# Altium PCB I2C_Jog_Controller.pcbdoc (part 5 of 6)
Units mm, origin at the board's own origin, x right, y up, seen from the top; angles counter-clockwise.
Board outline 94.01 x 162 mm, 4 copper layers (Top Layer, L1, L2, Bottom Layer), stack 1.606 mm thick; 147 components, 78 nets, 5389 pads, 241 vias.
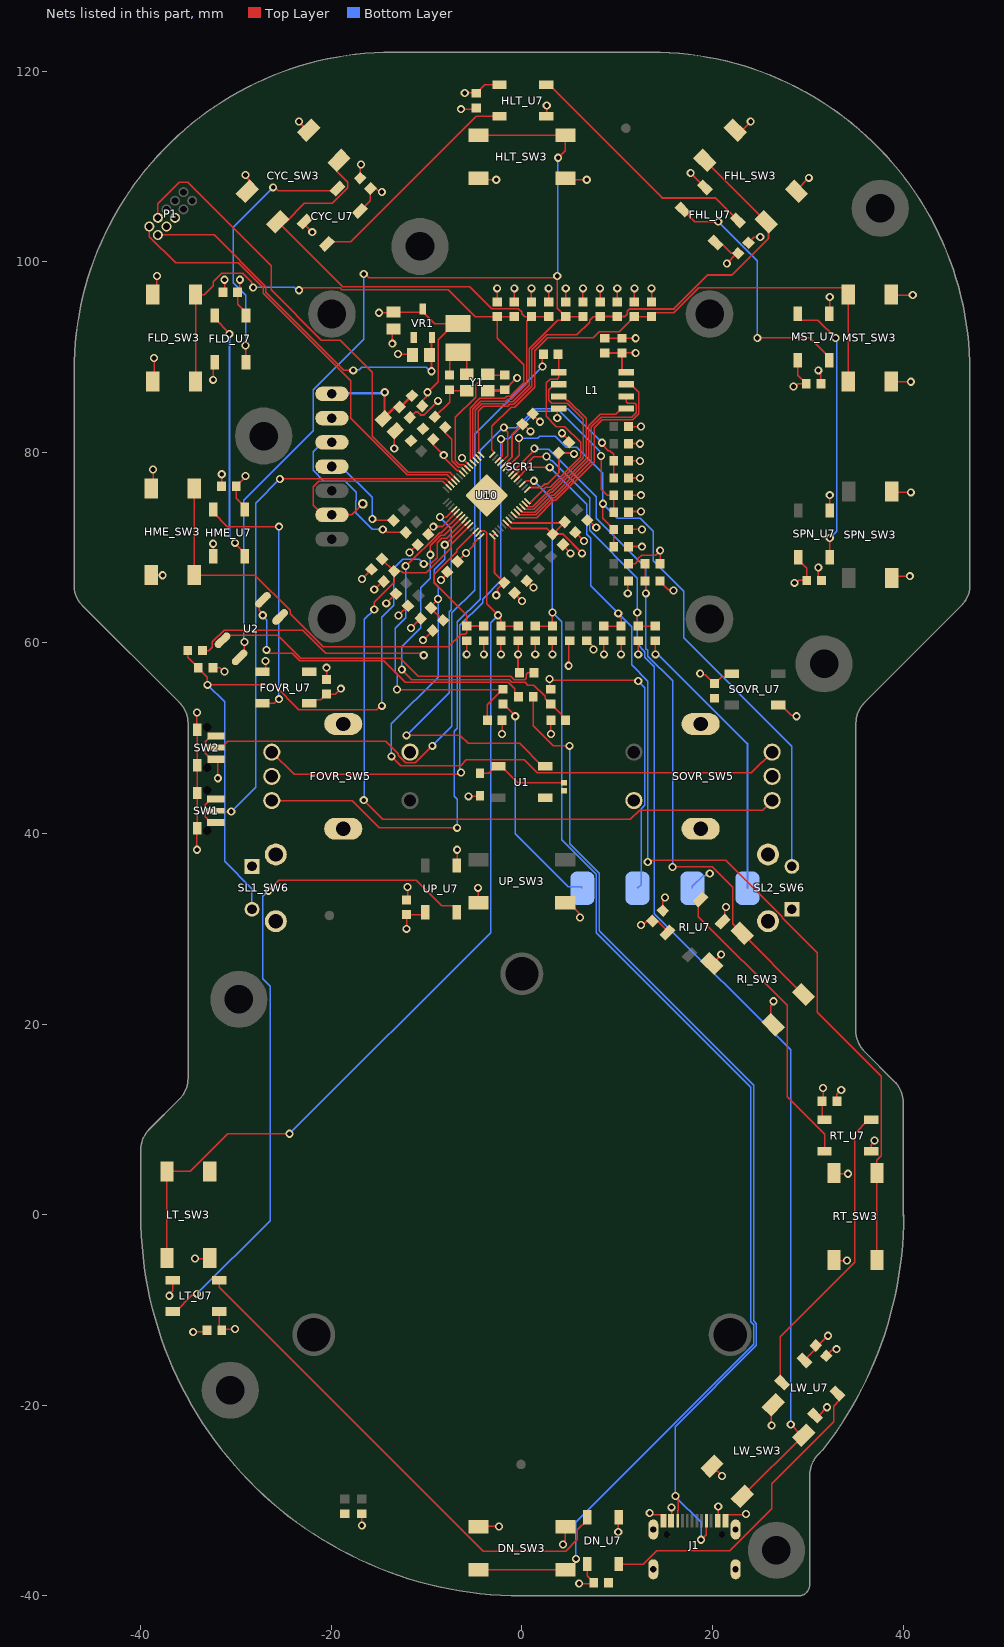
[diagram p7: the nets of this part, all layers, seen from the top]

## Footprints (in the part's own frame and the unit in brackets; to place one, negate y for a bottom-side part, rotate by r counter-clockwise, add the part's x,y. Pads: shape width x height; smd on the part's side, far side on the other; paste and mask are expansions set on the pad) (continued)
Expatria-Logo [mil] "Expatria DXF logo" (continued)
  round 1.64 on Mech4: 1(-44084.13,-43686.41) 1(-44084.13,-43686.41) 1(-44083.22,-43543.69) 1(-44083.22,-43543.69) 1(-44083.22,-43664.04) 1(-44083.22,-43664.04) 1(-44082.8,-43686.83) 1(-44082.8,-43686.83) 1(-44082.34,-43664.04) 1(-44082.34,-43664.04) 1(-44082.34,-43517.31) 1(-44082.34,-43517.31) 1(-44081.89,-43688.19) 1(-44081.89,-43688.19) 1(-44080.56,-43688.64) 1(-44080.56,-43688.64) 1(-44080.11,-43689.52) 1(-44080.11,-43689.52) 1(-44079.2,-43516.85) 1(-44079.2,-43516.85) 1(-44078.74,-43689.97) 1(-44078.74,-43689.97) 1(-44078.32,-43690.88) 1(-44078.32,-43690.88) 1(-44078.32,-43541.45) 1(-44078.32,-43541.45) 1(-44076.96,-43691.3) 1(-44076.96,-43691.3) 1(-44076.96,-43669.84) 1(-44076.96,-43669.84) 1(-44076.51,-43692.21) 1(-44076.51,-43692.21) 1(-44076.09,-43669.84) 1(-44076.09,-43669.84) 1(-44076.09,-43515.52) 1(-44076.09,-43515.52) 1(-44075.18,-43692.66) 1(-44075.18,-43692.66) 1(-44074.73,-43693.54) 1(-44074.73,-43693.54) 1(-44073.4,-43693.99) 1(-44073.4,-43693.99) 1(-44073.4,-43672.99) 1(-44073.4,-43672.99) 1(-44073.4,-43540.13) 1(-44073.4,-43540.13) 1(-44072.95,-43694.9) 1(-44072.95,-43694.9) 1(-44072.95,-43515.07) 1(-44072.95,-43515.07) 1(-44072.49,-43672.99) 1(-44072.49,-43672.99) 1(-44071.62,-43695.35) 1(-44071.62,-43695.35) 1(-44071.16,-43696.23) 1(-44071.16,-43696.23) 1(-44069.8,-43696.68) 1(-44069.8,-43696.68) 1(-44069.8,-43513.74) 1(-44069.8,-43513.74) 1(-44069.38,-43697.59) 1(-44069.38,-43697.59) 1(-44068.47,-43537.89) 1(-44068.47,-43537.89) 1(-44068.02,-43698.01) 1(-44068.02,-43698.01) 1(-44067.56,-43698.92) 1(-44067.56,-43698.92) 1(-44066.69,-43513.29) 1(-44066.69,-43513.29) 1(-44066.23,-43699.37) 1(-44066.23,-43699.37) 1(-44065.78,-43700.24) 1(-44065.78,-43700.24) 1(-44064.46,-43700.7) 1(-44064.46,-43700.7) 1(-44063.54,-43536.56) 1(-44063.54,-43536.56) 1(-44063.54,-43511.96) 1(-44063.54,-43511.96) 1(-44062.67,-43702.48) 1(-44062.67,-43702.48) 1(-44062.21,-43683.72) 1(-44062.21,-43683.72) 1(-44061.31,-43702.94) 1(-44061.31,-43702.94) 1(-44061.31,-43535.2) 1(-44061.31,-43535.2) 1(-44061.31,-43683.72) 1(-44061.31,-43683.72) 1(-44060.86,-43703.84) 1(-44060.86,-43703.84) 1(-44060.44,-43511.51) 1(-44060.44,-43511.51) 1(-44059.53,-43704.3) 1(-44059.53,-43704.3) 1(-44059.07,-43705.17) 1(-44059.07,-43705.17) 1(-44059.07,-43534.74) 1(-44059.07,-43534.74) 1(-44058.19,-43687.28) 1(-44058.19,-43687.28) 1(-44057.74,-43705.63) 1(-44057.74,-43705.63) 1(-44057.29,-43687.28) 1(-44057.29,-43687.28) 1(-44057.29,-43510.14) 1(-44057.29,-43510.14) 1(-44056.84,-43533.42) 1(-44056.84,-43533.42) 1(-44055.96,-43707.41) 1(-44055.96,-43707.41) 1(-44054.6,-43707.86) 1(-44054.6,-43707.86) 1(-44054.6,-43532.96) 1(-44054.6,-43532.96) 1(-44054.14,-43708.77) 1(-44054.14,-43708.77) 1(-44054.14,-43509.72) 1(-44054.14,-43509.72) 1(-44053.27,-43691.75) 1(-44053.27,-43691.75) 1(-44052.82,-43709.19) 1(-44052.82,-43709.19) 1(-44052.36,-43691.75) 1(-44052.36,-43691.75) 1(-44052.36,-43710.1) 1(-44052.36,-43710.1) 1(-44052.36,-43531.63) 1(-44052.36,-43531.63) 1(-44051.03,-43710.55) 1(-44051.03,-43710.55) 1(-44051.03,-43508.36) 1(-44051.03,-43508.36) 1(-44050.12,-43531.18) 1(-44050.12,-43531.18) 1(-44049.25,-43712.34) 1(-44049.25,-43712.34) 1(-44047.89,-43712.79) 1(-44047.89,-43712.79) 1(-44047.89,-43529.85) 1(-44047.89,-43529.85) 1(-44047.43,-43713.66) 1(-44047.43,-43713.66) 1(-44046.1,-43714.12) 1(-44046.1,-43714.12) 1(-44046.1,-43507.49) 1(-44046.1,-43507.49) 1(-44045.66,-43529.4) 1(-44045.66,-43529.4) 1(-44044.78,-43699.83) 1(-44044.78,-43699.83) 1(-44044.33,-43715.9) 1(-44044.33,-43715.9) 1(-44043.87,-43699.83) 1(-44043.87,-43699.83) 1(-44043.41,-43528.04) 1(-44043.41,-43528.04) 1(-44042.96,-43716.35) 1(-44042.96,-43716.35) 1(-44042.96,-43506.13) 1(-44042.96,-43506.13) 1(-44042.09,-43717.72) 1(-44042.09,-43717.72) 1(-44041.18,-43527.62) 1(-44041.18,-43527.62) 1(-44040.73,-43718.14) 1(-44040.73,-43718.14) 1(-44040.31,-43719.05) 1(-44040.31,-43719.05) 1(-44039.85,-43505.67) 1(-44039.85,-43505.67) 1(-44038.94,-43526.25) 1(-44038.94,-43526.25) 1(-44038.94,-43719.5) 1(-44038.94,-43719.5) 1(-44038.07,-43720.83) 1(-44038.07,-43720.83) 1(-44037.62,-43706.54) 1(-44037.62,-43706.54) 1(-44036.71,-43525.8) 1(-44036.71,-43525.8) 1(-44036.71,-43504.34) 1(-44036.71,-43504.34) 1(-44036.71,-43721.28) 1(-44036.71,-43721.28) 1(-44036.71,-43706.54) 1(-44036.71,-43706.54) 1(-44036.25,-43722.19) 1(-44036.25,-43722.19) 1(-44034.92,-43722.61) 1(-44034.92,-43722.61) 1(-44034.47,-43723.52) 1(-44034.47,-43723.52) 1(-44034.01,-43709.65) 1(-44034.01,-43709.65) 1(-44033.6,-43503.89) 1(-44033.6,-43503.89) 1(-44033.14,-43723.97) 1(-44033.14,-43723.97) 1(-44033.14,-43709.65) 1(-44033.14,-43709.65) 1(-44033.14,-43524.02) 1(-44033.14,-43524.02) 1(-44032.69,-43724.85) 1(-44032.69,-43724.85) 1(-44031.36,-43725.3) 1(-44031.36,-43725.3) 1(-44030.9,-43523.56) 1(-44030.9,-43523.56) 1(-44029.54,-43727.08) 1(-44029.54,-43727.08) 1(-44028.67,-43522.23) 1(-44028.67,-43522.23) 1(-44028.67,-43502.11) 1(-44028.67,-43502.11) 1(-44028.21,-43727.54) 1(-44028.21,-43727.54) 1(-44026.43,-43521.78) 1(-44026.43,-43521.78) 1(-44026.43,-43729.32) 1(-44026.43,-43729.32) 1(-44025.53,-43501.65) 1(-44025.53,-43501.65) 1(-44025.07,-43729.77) 1(-44025.07,-43729.77) 1(-44024.65,-43730.68) 1(-44024.65,-43730.68) 1(-44024.2,-43520.45) 1(-44024.2,-43520.45) 1(-44023.74,-43719.5) 1(-44023.74,-43719.5) 1(-44023.28,-43731.14) 1(-44023.28,-43731.14) 1(-44022.83,-43719.5) 1(-44022.83,-43719.5) 1(-44021.96,-43520) 1(-44021.96,-43520) 1(-44021.51,-43732.92) 1(-44021.51,-43732.92) 1(-44021.05,-43519.09) 1(-44021.05,-43519.09) 1(-44020.18,-43722.61) 1(-44020.18,-43722.61) 1(-44019.27,-43722.61) 1(-44019.27,-43722.61) 1(-44018.81,-43518.67) 1(-44018.81,-43518.67) 1(-44018.36,-43734.25) 1(-44018.36,-43734.25) 1(-44017.03,-43735.61) 1(-44017.03,-43735.61) 1(-44016.58,-43517.31) 1(-44016.58,-43517.31) 1(-44015.7,-43736.03) 1(-44015.7,-43736.03) 1(-44015.25,-43727.08) 1(-44015.25,-43727.08) 1(-44014.79,-43737.39) 1(-44014.79,-43737.39) 1(-44014.79,-43498.96) 1(-44014.79,-43498.96) 1(-44014.34,-43727.08) 1(-44014.34,-43727.08) 1(-44014.34,-43516.85) 1(-44014.34,-43516.85) 1(-44011.65,-43739.17) 1(-44011.65,-43739.17) 1(-44010.78,-43515.07) 1(-44010.78,-43515.07) 1(-44010.78,-43731.14) 1(-44010.78,-43731.14) 1(-44010.78,-43497.18) 1(-44010.78,-43497.18) 1(-44009.87,-43731.14) 1(-44009.87,-43731.14) 1(-44009.87,-43735.61) 1(-44009.87,-43735.61) 1(-44009.42,-43735.61) 1(-44009.42,-43735.61) 1(-44009.42,-43732.92) 1(-44009.42,-43732.92) 1(-44009.42,-43732.47) 1(-44009.42,-43732.47) 1(-44009,-43738.72) 1(-44009,-43738.72) 1(-44009,-43733.37) 1(-44009,-43733.37) 1(-44008.54,-43738.72) 1(-44008.54,-43738.72) 1(-44008.54,-43732.47) 1(-44008.54,-43732.47) 1(-44008.54,-43514.62) 1(-44008.54,-43514.62) 1(-44008.08,-43740.08) 1(-44008.08,-43740.08) 1(-44006.3,-43513.29) 1(-44006.3,-43513.29) 1(-44004.07,-43512.83) 1(-44004.07,-43512.83) 1(-44003.16,-43511.96) 1(-44003.16,-43511.96) 1(-44002.29,-43495.85) 1(-44002.29,-43495.85) 1(-44000.92,-43511.51) 1(-44000.92,-43511.51) 1(-44000.92,-43494.94) 1(-44000.92,-43494.94) 1(-43997.81,-43494.49) 1(-43997.81,-43494.49) 1(-43997.81,-43509.72) 1(-43997.81,-43509.72) 1(-43995.57,-43509.27) 1(-43995.57,-43509.27) 1(-43993.76,-43507.91) 1(-43993.76,-43507.91) 1(-43991.52,-43507.49) 1(-43991.52,-43507.49) 1(-43990.65,-43506.58) 1(-43990.65,-43506.58) 1(-43988.41,-43506.13) 1(-43988.41,-43506.13) 1(-43986.18,-43504.8) 1(-43986.18,-43504.8) 1(-43983.94,-43504.34) 1(-43983.94,-43504.34) 1(-43981.25,-43490.47) 1(-43981.25,-43490.47) 1(-43976.77,-43500.32) 1(-43976.77,-43500.32) 1(-43974.54,-43499.87) 1(-43974.54,-43499.87) 1(-43973.63,-43498.96) 1(-43973.63,-43498.96) 1(-43971.39,-43498.54) 1(-43971.39,-43498.54) 1(-43968.74,-43487.36) 1(-43968.74,-43487.36) 1(-43967.83,-43496.31) 1(-43967.83,-43496.31) 1(-43964.68,-43495.4) 1(-43964.68,-43495.4) 1(-43961.57,-43493.16) 1(-43961.57,-43493.16) 1(-43957.55,-43491.38) 1(-43957.55,-43491.38) 1(-43957.55,-43486) 1(-43957.55,-43486) 1(-43954.87,-43488.69) 1(-43954.87,-43488.69) 1(-43954.41,-43486.91) 1(-43954.41,-43486.91)
  silkscreen extent -44849,-43740 -43954,-43379
Fiducial10-20 [mm]
  round 1 smd mask+0.5: 1(0,0)
  Top Layer keep-out circle w1.178: c0,0 r0.5
FP-B3F-3152-MFG [mm]
  rect 1.55x1.55 hole 1 paste-2539.97 mask+0: 1(-2.25,1.075)
  round 1.55 hole 1 paste-2539.97 mask+0: 2(2.25,1.075)
  round 2.3 hole 1.5 paste-2539.97 mask+0: 3(-3.5,3.575) 4(3.5,3.575)
  silkscreen extent -5.17,-5.58 3.85,5.58, body extent -4.75,-5.68 4.75,5.68, height 0.25
HRO_TYPE-C-31-M-12 [mm]
  rect 0.6x1.45 smd: A1B12(-3.25,5.095) A4B9(-2.45,5.095) B1A12(3.25,5.095) B4A9(2.45,5.095)
  rect 0.3x1.45 smd: A5(-1.25,5.095) A6(-0.25,5.095) A7(0.25,5.095) A8(1.25,5.095) B5(1.75,5.095) B6(0.75,5.095) B7(-0.75,5.095) B8(-1.75,5.095)
  oval 1.05x2.1 hole 0.65 slot 1.75 at 90 deg: S1(-4.32,4.18) S2(4.32,4.18)
  oval 1.05x2.1 hole 0.65 slot 1.25 at 90 deg: S3(-4.32,0) S4(4.32,0)
  round 0.7 hole 0.7 unplated: ""(-2.89,3.65) ""(2.89,3.65)
  silkscreen extent -4.47,-2.6 4.47,6.5, body extent -4.47,-2.6 4.47,5.31, height 3.31
RP2040 [mm]
  rrect50% 0.875x0.2 smd: 1(-3.437,2.6) 2(-3.437,2.2) 3(-3.437,1.8) 4(-3.437,1.4) 5(-3.437,1) 6(-3.437,0.6) 7(-3.438,0.2) 8(-3.438,-0.2) 9(-3.438,-0.6) 10(-3.437,-1) 11(-3.437,-1.4) 12(-3.437,-1.8) 13(-3.437,-2.2) 14(-3.437,-2.6) 29(3.437,-2.6) 30(3.437,-2.2) 31(3.437,-1.8) 32(3.437,-1.4) 33(3.437,-1) 34(3.438,-0.6) 35(3.438,-0.2) 36(3.438,0.2) 37(3.437,0.6) 38(3.437,1) 39(3.437,1.4) 40(3.437,1.8) 41(3.437,2.2) 42(3.437,2.6)
  rrect50% 0.2x0.875 smd: 15(-2.6,-3.437) 16(-2.2,-3.438) 17(-1.8,-3.437) 18(-1.4,-3.437) 19(-1,-3.437) 20(-0.6,-3.437) 21(-0.2,-3.438) 22(0.2,-3.438) 23(0.6,-3.438) 24(1,-3.437) 25(1.4,-3.437) 26(1.8,-3.437) 27(2.2,-3.437) 28(2.6,-3.437) 43(2.6,3.437) 44(2.2,3.437) 45(1.8,3.437) 46(1.4,3.437) 47(1,3.437) 48(0.6,3.438) 49(0.2,3.437) 50(-0.2,3.438) 51(-0.6,3.438) 52(-1,3.437) 53(-1.4,3.438) 54(-1.8,3.437) 55(-2.2,3.438) 56(-2.6,3.437)
  rrect10% 3.2x3.2 smd: 57(0,0)
  silkscreen extent -4.42,-3.65 3.65,3.65, body extent -3.5,-3.5 3.5,3.5, height 0.9
SOD-323 [mm]
  rect 1x0.83 smd: 1(1.18,0) 2(-1.18,0)
  silkscreen extent -0.4,-0.6 0.4,0.6, body extent -1.35,-0.62 1.35,0.63, height 1.1
SOIC127P780X195-8N [mm]
  rect 1.6x0.65 smd: 1(-3.55,1.905) 2(-3.55,0.635) 3(-3.55,-0.635) 4(-3.55,-1.905) 5(3.55,-1.905) 6(3.55,-0.635) 7(3.55,0.635) 8(3.55,1.905)
  silkscreen extent -4.35,-2.62 2.4,2.62, body extent -3.9,-2.62 3.9,2.62, height 1.95
SOP-4_P2.54 [mm]
  oval 2x0.8 smd: 1(-3,1.27) 2(-3,-1.27) 3(3,-1.27) 4(3,1.27)
  silkscreen extent -3.55,-2 1.6,2.35, body extent -3.64,-2.15 3.65,2.15, height 2.01
SOT-23-3L [mm] "http://www.aosmd.com/res/packaging_information/SOT-23-3L.pdf"
  rect 1.15x0.65 smd: 1(1.475,-0.95) 2(1.475,0.95) 3(-1.475,0)
  silkscreen extent -0.9,-1.95 1.6,1.55, body extent -0.9,-1.55 0.9,1.55, height 1.25
SW-TH_EC11E15244G1 [mm]
  oval 2.3x4 hole 1.5 slot 3 at 90 deg: 6(5.5,0.25) 7(-5.5,0.25)
  round 1.8 hole 1.3: A(-2.54,-7.25) B(2.54,-7.25) C(0,-7.25) D(-2.54,7.25) E(2.54,7.25)
  silkscreen extent -5.9,-5.75 5.9,6.25, body extent -6.55,-7.49 6.55,7.46, height 24.5
TECO-FSM4JSMATR_V [mm] "SMD, 4-Leads, Body 6x6mm, Pitch 4.5mm"
  rect 1.4x2.1 smd: 1(2.25,4.55) 2(2.25,-4.55) 3(-2.25,4.55) 4(-2.25,-4.55)
  silkscreen extent -3,-3 3.62,4.67, body extent -3,-5 3,5, height 5.08
TP/SMALL [mil]
  round 40 hole 21: 1(0,0)
  silkscreen extent -27,-27 27,27
TP_SQ_2.5mm [mm]
  rrect50% 2.5x3.5 smd paste-1: 1(0,0)
YSX321SL [mm]
  rect 1.4x1.2 smd: 1(-1.1,-0.85) 2(1.1,-0.85) 3(1.1,0.85) 4(-1.1,0.85)
  silkscreen extent -2.8,-1.1 -2.6,-0.9, body extent -1.68,-1.33 1.68,1.33, height 0.9

## Part data
C1 C6 C7 C19 C20 C23 C24 C25 C26 C27 C28 C29 CYC_C14 FHL_C14 FLD_C14 FOVR_C8 FOVR_C9 FOVR_C10 HLT_C14 HME_C14 MST_C14 SL1_C14 SL2_C14 SOVR_C8 SOVR_C9 SOVR_C10 SPN_C14: library part "0603 100nF (104) 10% 50V", "Chip capacitors", Manufacturer=YAGEO, Package=0603, PartNumber=CC0603KRX7R9BB104, SuppliersPartNumber=C14663, Tolerance=10%, VOLTAGE=50V, Capacitance=100nF, ComponentLink1Description="Supplier link", ComponentLink1URL=http://www.szlcsc.com/product/details_15331.html, Supplier=LC
C2: library part "0402 1.0uF (105) 10% 25V", "Chip capacitor", Capacitance=1uF, Manufacturer="Samsung Electro-Mechanics", Package=0402, PartNumber=CL05A105KA5NQNC, SuppliersPartNumber=C52923, Tolerance=10%, VOLTAGE=25V, ComponentLink1Description="Supplier link", ComponentLink1URL=http://www.szlcsc.com/product/details_53938.html, Supplier=LC
C3: library part "0603 4.7uF (475) 10% 16V", "Chip capacitors", Manufacturer="Samsung Electro-Mechanics", Package=0603, PartNumber=CL10A475KO8NNNC, SuppliersPartNumber=C19666, Tolerance=10%, VOLTAGE=16V, Capacitance=4.7uF, ComponentLink1Description="Supplier link", ComponentLink1URL=http://www.szlcsc.com/product/details_20375.html, Supplier=LC
C4 C42 C44: library part "0805 22uF (226) 20% 25V", "Chip capacitors", Manufacturer="Samsung Electro-Mechanics", Package=0805, PartNumber=CL21A226MAQNNNE, SuppliersPartNumber=C45783, Tolerance=20%, VOLTAGE=25V, Capacitance=22uF, ComponentLink1Description="Supplier link", ComponentLink1URL=http://www.szlcsc.com/product/details_46786.html, Supplier=LC
C17 C18: library part "0603 10pF (100) 5% 50V", "Chip capacitors", Manufacturer="Samsung Electro-Mechanics", Package=0603, PartNumber=CL10C100JB8NNNC, SuppliersPartNumber=C1634, Tolerance=5%, VOLTAGE=50V, Capacitance=10pF, ComponentLink1Description="Supplier link", ComponentLink1URL=http://www.szlcsc.com/product/details_1986.html, Supplier=LC
C21 C22 CYC_C12 DN_C12 DN_C14 FHL_C12 FLD_C12 FOVR_C12 HLT_C12 HME_C12 LT_C12 LT_C14 LW_C12 LW_C14 MST_C12 RI_C12 RI_C14 RT_C12 RT_C14 SOVR_C12 SPN_C12 UP_C12 UP_C14: library part "0603 1uF (105) 10% 50V", "Chip capacitors", Manufacturer="Samsung Electro-Mechanics", Package=0603, PartNumber=CL10A105KB8NNNC, SuppliersPartNumber=C15849, Tolerance=10%, VOLTAGE=50V, Capacitance=1uF, ComponentLink1Description="Supplier link", ComponentLink1URL=http://www.szlcsc.com/product/details_16531.html, Supplier=LC
C43: library part "3528 100uF (107) 10% 6.3V", "Tantalum capacitor", Manufacturer=AVX, Package=3528, PartNumber=TAJB107K006RNJ, SuppliersPartNumber=C16133, Tolerance=10%, VOLTAGE=6.3V, Capacitance=100uF, ComponentLink1Description="Supplier link", ComponentLink1URL=http://www.szlcsc.com/product/details_16815.html, Supplier=LC
CYC_R14 DN_R14 FHL_R14 FLD_R14 FOVR_R6 FOVR_R9 FOVR_R11 HLT_R14 HME_R14 LT_R14 LW_R14 MST_R14 R4 RI_R14 RT_R14 SL1_R14 SL2_R14 SOVR_R6 SOVR_R9 SOVR_R11 SPN_R14 UP_R14: library part "0603 1K (1001) 1%", "Chip resistor", Manufacturer="Uniroyal Elec", Package=0603, PartNumber=0603WAF1001T5E, Power=1/10W, Resistance=1KΩ, SuppliersPartNumber=C21190, Tolerance=1%, ComponentLink1Description="Supplier link", ComponentLink1URL=http://www.szlcsc.com/product/details_21904.html, Supplier=LC
CYC_SW3 DN_SW3 FHL_SW3 FLD_SW3 HLT_SW3 HME_SW3 LT_SW3 LW_SW3 MST_SW3 RI_SW3 RT_SW3 SPN_SW3 UP_SW3: library part CMP-2000-07486-1, "Top Actuated 50mA @ 12VDC Round Button SPST 6*6mm Tactile Switches ROHS", Package=SMD-4_6.0x6.0x4.5P, SuppliersPartNumber=C127509
CYC_U7 DN_U7 FHL_U7 FLD_U7 FOVR_U7 HLT_U7 HME_U7 LT_U7 LW_U7 MST_U7 RI_U7 RT_U7 SOVR_U7 SPN_U7 U1 UP_U7: library part CMP-2000-05026-1, "Intelligent Control LED Integrated Light Source, 3.5 to 5.3 V, -25 to 80 degC, 4-Pin SMD, RoHS, Tape and Reel", Manufacturer=Worldsemi, Package Description="4-Pin Surface Mount Device, Body 5 x 5 mm", SuppliersPartNumber=C2874885, Part_Number=WS2812B-B/W
D1: library part "SOD-323 1N4148WS T4", "二极管", Package=SOD-323, SuppliersPartNumber=C2128, ComponentLink1Description=供应商链接, ComponentLink1URL=http://www.szlcsc.com/product/details_2485.html, Supplier=LC
FID1 FID2 FID3: "FIDUCIAL NO ASSEMBLY", Manufacturer 1=NONE, Manufacturer Part Number 1=NONE
FOVR_SW5 SOVR_SW5: library part EC11E15244G1, "Plugin Rotary Encoders ROHS 11mm", Manufacturer_Name=ALPSALPINE, SuppliersPartNumber=C370970, HEIGHT=14mm, Manufacturer_Part_Number=EC11E15244G1, Supplier=LCSD
J1: "USB Connectors 24 Receptacle 1 8.94*7.3mm RoHS", Package=Package, SuppliersPartNumber=C165948, Availability=Unavailable, MF="HRO Electronics Co., Ltd.", MP=TYPE-C-31-M-12, Price=None, SnapEDA_Link=https://www.snapeda.com/parts/TYPE-C-31-M-12/HRO%20Electronics%20Co.,%20Ltd./view-part/3228496/?ref=snap
JW1: library part 60mm_Jog_Wheel
L1: library part W25Q128JVSIQ_TR, "SPI NOR FLASH 16Mbit", Manufacturer_Name=Winbond, SuppliersPartNumber=C82317, Datasheet Link=http://www.winbond.com/resource-files/w25q128jv%20spi%20revc%2011162016.pdf, HEIGHT=1.95mm, Manufacturer_Part_Number=W25Q16JVSSIQ
Logo1: library part SBT-Logo, "Expatria Logo", Manufacturer 1=NONE, Manufacturer Part Number 1=NONE
P1: library part CMP-1502-00948-1, "THT Vertical Pin Header WR-PHD, Pitch 1.27 mm, Dual Row, 10 pins", Contact Resistance=20mOhm, Manufacturer="Wurth Elektronik", Operating Temperature=-40to105degC, Rated Current=1A, Withstanding Voltage=500VAC, Working Voltage=100VAC, Datasheet URL=https://katalog.we-online.de/em/datasheet/62201021121.pdf, Gender=Male, Manufacturer URL=http://www.we-online.de, Mounting Technology=THT, Orientation=Vertical, Package Reference=62201021121, Packaging=Box, Part Number=62201021121, Pin Number=10, Pitch=1.27mm, Publisher=WurthElektronik, Row Number=Dual
R1 R2 R3 R5: library part "0603 22R (22R0) 1%", "Chip resistor", Manufacturer="Uniroyal Elec", Package=0603, PartNumber=0603WAF220JT5E, Power=1/10W, Resistance=22Ω, SuppliersPartNumber=C23345, Tolerance=1%, ComponentLink1Description="Supplier link", ComponentLink1URL=http://www.szlcsc.com/product/details_24078.html, Supplier=LC
R7 R8 R10 R12: library part "0603 470R (4700) 1%", "Chip resistor", Manufacturer="Uniroyal Elec", Package=0603, PartNumber=0603WAF4700T5E, Power=1/10W, Resistance=470Ω, SuppliersPartNumber=C23179, Tolerance=1%, ComponentLink1Description="Supplier link", ComponentLink1URL=http://www.szlcsc.com/product/details_23906.html, Supplier=LC
R13 R15 R16: library part "0603 0R (0R0) 1%", "Chip resistor", Manufacturer="Uniroyal Elec", Package=0603, PartNumber=0603WAF0000T5E, Power=1/10W, Resistance=0Ω, SuppliersPartNumber=C21189, Tolerance=1%, ComponentLink1Description="Supplier link", ComponentLink1URL=http://www.szlcsc.com/product/details_21903.html, Supplier=LC
R17 R18: library part "0603 5.1K (5101) 1%", "Chip resistor", Manufacturer="Uniroyal Elec", Package=0603, PartNumber=0603WAF5101T5E, Power=1/10W, Resistance=5.1KΩ, SuppliersPartNumber=C23186, Tolerance=1%, ComponentLink1Description="Supplier link", ComponentLink1URL=http://www.szlcsc.com/product/details_23913.html, Supplier=LC
SCR1: library part "1.5inch Waveshare OLED screen", SuppliersPartNumber=C2897370
SL1_SW6 SL2_SW6: library part CMP-08834-000033-1, "SWITCH TACTILE SPST-NO 0.05A 24V", SuppliersPartNumber=C145896
SW1 SW2: library part CMP-2000-07073-2, "Side Push Type, 250 V, -40 to 90 degC, 3-Pin SMD, RoHS, Tape and Reel", Manufacturer=ALPS, Maximum Current Rating=0.05@12VDCA, Maximum DC Voltage Rating=12V, Operating Force=1.6N, Package Description="3-Pin Surface Mount Device, Body 4.5 x 3.55 mm, Pitch 1.225 mm", SuppliersPartNumber=C110293, AccessRights=2147483647, ContentType="Unified Component", ContentTypeGUID=CB3C11C4-E317-11DF-B822-12313F0024A2, Datasheet URL=http://www.alps.com/prod/info/E/PDF/Tact/SurfaceMount/SKRT/SKRT.PDF, Datasheet Version=06/2015, Folder="Unified Components\Components\New Releases\New\", FolderGUID=B7F4506A-9127-42E7-A087-46FE7B18D116, ItemGUID=EAC55BEC-37DC-4BDB-8BA7-D75E6D5C3D75, ItemHRID=CMP-2000-07073, LifeCycle=Released, LifeCycleStateGUID=61E382EE-6656-4F12-9E24-BE9327104A25, Manufacturer 1=ALPS, Manufacturer URL=http://www.alps.com/e/, Mounting=SurfaceMount, Mounting Technology=SurfaceMount, Package Reference=SKRTLAE010, Packaging=Tape&Reel, Pole Throw Configuration=SPST, Rad Hard=No, ReleaseDate="22/09/2017 06:13:25 AM", RevisionId=1, Switch Configuration=N.O.
TP1 TP2 TP3 TP4: library part TL_5017, "2.5mm x 3.5mm pad", Color=White, Manufacturer 1="Keystone Electronics", Manufacturer Part Number 1=5017, Package Quantity=5000, Supplier Part Number 1=36-5017CT-ND, ComponentLink1Description=https://datasheet.ciiva.com/18456/5017-18456885.pdf?src-supplier=Digi-Key, ComponentLink1URL=https://datasheet.ciiva.com/18456/5017-18456885.pdf?src-supplier=Digi-Key, ComponentLink2Description=https://datasheet.ciiva.com/18456/5017-18456886.pdf?src-supplier=Digi-Key, ComponentLink2URL=https://datasheet.ciiva.com/18456/5017-18456886.pdf?src-supplier=Digi-Key, ComponentLink3Description=https://datasheet.ciiva.com/18456/5017-18456887.pdf?src-supplier=Digi-Key, ComponentLink3URL=https://datasheet.ciiva.com/18456/5017-18456887.pdf?src-supplier=Digi-Key, Contact Material=Bronze, Contact Plating=Tin, Depth=1.01mm, Lead Free="Lead Free", Length=2.66mm, Material=Bronze, Mount="Surface Mount", Number of Ports=1, Orientation=Straight, Packaging="Tape and Reel", Pricing 1="1 = 0.47000, 10 = 0.44100, 25 = 0.37800, 50 = 0.32140, 100 = 0.30880, 250 = 0.27732, 500 = 0.26472, 1000 = 0.22061, 2500 = 0.20170 (USD)", REACH SVHC="No SVHC", RoHS=Yes, Stock 1=203311, Supplier 1=Digi-Key, Termination=Solder
TP5: "Test Point", Manufacturer=N/A, Manufacturer 1=N/A, Manufacturer Part Number=N/A, Manufacturer Part Number 1=N/A
U2: library part EL357N(B)(TA)-G_[C6649], "OPTOISOLATOR 3.75KV TRANS 4-SOP", Manufacturer 1="Everlight Elec", Package=SOP-4_P2.54, SuppliersPartNumber=C6649, ComponentLink1Description=供应商链接, ComponentLink1URL=http://www.szlcsc.com/product/details_7114.html, Manufacturer Part Number 1=EL357N(B)(TA)-G, Supplier=LC
U10: "RP2040 First MCU from RPI"
VR1: library part "SOT-23 XC6206P332MR", "200mA 680mV@(100mA) Fixed 3.3V~3.3V Positive 1 6V SOT-23-3L Linear Voltage Regulators (LDO) ROHS", Package=SOT-23, SuppliersPartNumber=C5446, ComponentLink1Description=供应商链接, ComponentLink1URL=http://www.szlcsc.com/product/details_5896.html, Supplier=LC
Y1: "Crystal or Oscillator", Manufacturer_Name=YXC, SuppliersPartNumber=C9002, Datasheet Link=https://datasheet.lcsc.com/szlcsc/YSX321SL-30MHZ-10PF-8PPM_C70576.pdf, HEIGHT=0.8mm, Manufacturer_Part_Number=YSX321SL

## Free pads (board coordinates)
  round 6 hole 3: 1(-30.6,-18.4) 1(-29.7,22.6) 1(-27.1,81.7) 1(-10.7,101.6) 1(26.7,-35.2) 1(31.7,57.8) 1(37.6,105.6)

## Via types
v1: diameter 0.85, hole 0.5, Top Layer to Bottom Layer, tented both sides, 234 vias
v2: diameter 0.85, hole 0.5, Top Layer to Bottom Layer, 7 vias

## Nets (pads, with @x,y where several pads share a name; then routed paths per layer and width w, separated by ;. In a path a pad name is that pad's centre, name@x,y a point inside that pad or via, vN(x,y) a via of type N, cw(c..) or ccw(c..) an arc to the next point about the centre after c; other vN are vias at no path point)
+3.3V: C1.2 C3.2 C22.2 C23.2 C24.2 C25.2 C26.2 C27.2 C28.2 C29.2 C44.2 CYC_R14.1 DN_R14.1 FHL_R14.1 FLD_R14.1 FOVR_R6.1 FOVR_R9.1 FOVR_R11.1 HLT_R14.1 HME_R14.1 L1.8 LT_R14.1 LW_R14.1 MST_R14.1 P1.1 R12.2 R13.2 RI_R14.1 RT_R14.1 SL1_R14.1 SL2_R14.1 SOVR_R6.1 SOVR_R9.1 SOVR_R11.1 SPN_R14.1 TP3.1 U10.1 U10.10 U10.22 U10.33 U10.42 U10.43 U10.44 U10.48 U10.49 UP_R14.1 VR1.2 | length 183.4
  Top Layer w0.152: P1.1@-38.198,102.802 -32.311,102.802 -26.875,97.367 -26.875,96.797 -18.678,88.6 v1(-17.7,88.6) ; SL1_R14.1@-33.53,59.2 -32.836,59.2 -32.472,59.564 -32.472,60.113 -31.255,61.33 -23.017,61.33 -20.587,58.9 -10.4,58.9 -10.3,58.8 v1(-10.3,58.7) ; v2(-15.5,65.6) -14.658,66.442 SOVR_R6.1@-14.505,66.442 ; v1(-12.961,62.876) SOVR_R11.1@-11.95,63.888 ; v1(-10.37,60.285) SOVR_R9.1@-9.359,61.296 ; C24.2@-9.301,81.373 -9.312,81.362 -9.312,80.812 v1(-8.2,79.7) ; v1(-4,58.8) HME_R14.1@-4,60.23 ; FLD_R14.1@-0.8,95.77 v1(-0.8,97.2) ; v1(-0.4,58.8) LT_R14.1@-0.4,60.23 ; CYC_R14.1@2.8,95.77 v1(2.8,97.2) ; v1(3.2,58.8) DN_R14.1@3.2,60.23 ; HLT_R14.1@6.4,95.77 v1(6.4,97.2) ; UP_R14.1@6.8,60.23 6.825,60.23 7.367,59.688 7.367,59.433 v1(7.5,59.3) ; FHL_R14.1@10,95.77 v1(10,97.2) ; v1(10.4,58.8) RT_R14.1@10.4,60.23 ; C3.2@10.5,90.43 v1(11.93,90.43) ; MST_R14.1@13.6,95.77 v1(13.6,97.2) ; v1(14,58.8) LW_R14.1@14,60.23
  Top Layer w0.203: R13.2@-11.756,83.656 -11.194,84.218 -10.926,84.218 -10.635,83.926 -10.274,83.926 v1(-8.8,85.4) ; C28.2@-9.838,71.386 -9.838,71.662 v1(-9.3,72.2) -8.377,72.2 U10.33@-6.833,73.744 ; v1(-9.5,88.5) -9.5,92.013 VR1.2@-9.45,92.063 ; v1(-8.2,79.7) -8.076,79.576 -8.076,79.354 -6.834,78.111 -6.624,78.111 U10.22@-6.267,77.757 U10.22@-6.267,77.757 ; C29.2@-6.756,68.544 -5.088,70.212 -5.088,70.398 U10.42@-4.525,70.961 ; U10.43@-3.103,71.199 U10.44@-2.82,71.481 ; U10.43@-2.866,70.96 -2.866,67.325 C27.2@-1.866,66.324 -2.576,65.614 -2.576,65.124 v1(-2.7,65) ; U10.10@-1.971,78.606 -1.03,79.547 -1.03,81.87 C23.2@0.056,82.956 0.144,82.956 v1(0.9,82.2) ; U10.48@-1.689,72.613 -1.1,72.024 2.617,72.024 C26.2@3.225,71.415 C25.2@4.481,72.671 ; U10.49@-1.167,72.659 -1.104,72.659 -1.01,72.565 3.861,72.565 3.984,72.688 C25.2@4.498,72.688 ; v1(-0.4,58.8) -0.4,57.007 R12.2@-0.26,56.867 ; U10.1@0.574,76.06 0.811,76.296 0.936,76.296 0.946,76.287 1.994,76.287 2.365,76.658 2.665,76.658 3.873,77.866 C22.2@3.873,79.938 ; C26.2@3.243,71.433 4.267,71.433 v1(6.3,69.4) ; v1(5.46,79.836) 5.358,79.938 C22.2@3.873,79.938 ; C1.2@8.7,90.43 C3.2@10.5,90.43 10.5,88.628 10.723,88.405 L1.8@10.95,88.405 ; v1(11.1,65.2) 11.1,66.43 SPN_R14.1@11.17,66.5 ; SL2_R14.1@11.17,70.1 v1(12.6,70.1) ; FOVR_R6.1@11.17,73.7 11.27,73.8 v1(12.5,73.8) ; FOVR_R9.1@11.17,77.3 v1(12.4,77.3) ; FOVR_R11.1@11.17,80.9 v1(12.4,80.9) ; RI_R14.1@14.47,66.5 14.47,66.475 15.321,65.624 15.776,65.624 v1(15.9,65.5) ; C22.2@3.873,79.938 C22.2@3.856,79.956 C22.2@3.873,79.938